# Altium PCB Brake Module PCB R6.PcbDoc (part 2 of 3)
Units mm, origin at the board's own origin, x right, y up, seen from the top; angles counter-clockwise.
Board outline 73.35 x 121.67 mm, 4 copper layers (Top Layer, GND, Power, Bottom Layer), stack 1.371 mm thick; 150 components, 97 nets, 517 pads, 201 vias.
Unrouted connection lines stored in the file: 1.
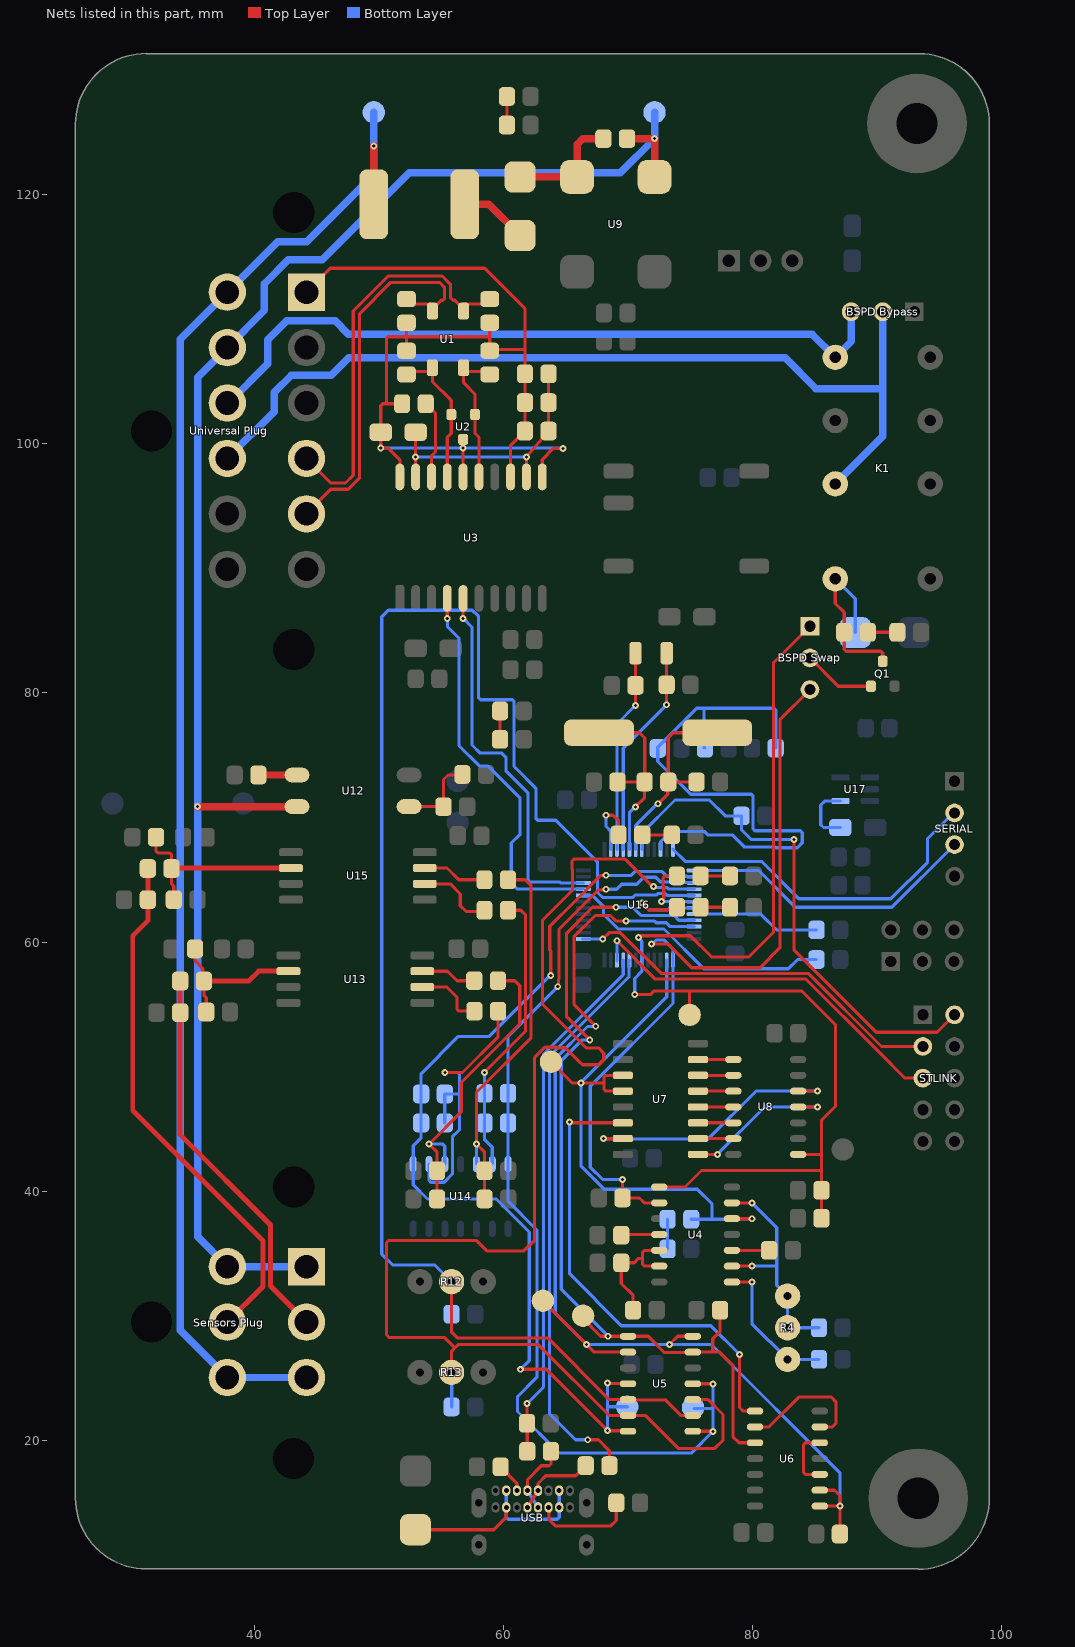
[diagram p4: the nets of this part, all layers, seen from the top]

## Via types
v1: diameter 0.55, hole 0.25, Top Layer to Bottom Layer, tented both sides, 200 vias
v2: diameter 0.55, hole 0.25, Top Layer to Bottom Layer, 1 vias

## Nets (pads, with @x,y where several pads share a name; then routed paths per layer and width w, separated by ;. In a path a pad name is that pad's centre, name@x,y a point inside that pad or via, vN(x,y) a via of type N, cw(c..) or ccw(c..) an arc to the next point about the centre after c; other vN are vias at no path point) (continued)
"BSPD DELAY (ISO)": "BSPD Swap.3" R6.1 U4.9 U16.25 | length 63.5
  Top Layer w0.254: v1(69.565,40.94) 69.559,40.934 69.559,39.454 R6.1@69.562,39.451 70.924,39.451 71.315,39.06 U4.9@72.513,39.06 ; v1(71.882,59.847) 73.197,59.847 75.106,57.938 80.606,57.938 82.194,59.526 82.194,77.848 84.61,80.264
  Bottom Layer w0.254: v1(69.565,40.94) 69.559,40.934 67.967,40.934 66.98,41.921 66.98,48.424 73.616,55.061 U16.25@73.616,58.542 73.616,59.428 72.871,60.173 72.288,60.173 71.962,59.847 v1(71.882,59.847)
"BSPD OK": "BSPD Swap.1" BSPD.1 C22.2 R11.2 U4.8 U8.8 U16.30 | length 93.8
  Top Layer w0.254: v1(70.55,55.775) 71.789,55.775 72.069,56.056 74.942,56.056 ; v1(70.841,60.35) 70.921,60.35 71.073,60.503 75.013,60.503 76.711,58.805 79.713,58.805 81.686,60.779 81.686,82.42 83.987,84.721 84.61,85.344 ; U4.8@72.513,40.33 74.58,40.33 75.906,41.656 85.538,41.656 ; BSPD.1@74.95,54.15 74.942,54.158 74.942,56.056 ; U8.8@83.657,42.947 85.538,42.947 ; R11.2@85.538,37.824 C22.2@85.538,40.074 85.538,41.656 ; 74.942,56.056 83.969,56.056 86.65,53.374 86.65,46.8 85.538,45.688 85.538,42.947 ; 85.538,41.656 85.538,42.947
  Bottom Layer w0.254: v1(70.55,55.775) 70.55,57.075 71.116,57.641 U16.30@71.116,58.542 ; v1(70.841,60.35) 70.841,60.32 71.107,60.054 U16.30@71.107,58.563
"CAN RX INDC": "CAN RX.A" U16.19 | length 7.6
  Top Layer w0.254: v1(71.12,63.119) 71.649,62.59 73.735,62.59 73.933,62.788
  Bottom Layer w0.254: v1(71.12,63.119) 71.649,62.59 73.21,62.59 73.362,62.742 U16.19@75.316,62.742
"CAN TX INDC": "CAN TX.A" U16.18 | length 5.8
  Top Layer w0.254: v1(72.695,63.246) 72.695,63.326 72.868,63.499 72.868,64.483 72.821,64.53 72.821,65.156 72.97,65.305 73.927,65.305
  Bottom Layer w0.254: v1(72.695,63.246) 72.697,63.244 75.314,63.244 U16.18@75.316,63.242
CANH_P: "Universal Plug.5" C3.2 U1.2 | length 31.2
  Top Layer w0.254: 44.196,94.366 44.196,94.4 46.134,96.338 47.538,96.338 48.459,97.259 48.459,110.44 50.97,112.951 54.872,112.951 55.261,112.561 55.261,111.618 55.152,111.509 54.998,111.509 54.305,110.815 U1.2@54.305,110.644 ; C3.2@52.223,111.603 52.624,111.203 U1.2@54.19,111.203
CANL_N: "Universal Plug.4" C2.2 U1.1 | length 32.2
  Top Layer w0.254: 44.196,98.816 44.196,98.782 46.132,96.846 47.328,96.846 47.951,97.469 47.951,110.65 50.76,113.459 55.082,113.459 55.769,112.772 55.769,111.698 55.958,111.509 56.112,111.509 56.805,110.815 U1.1@56.805,110.644 ; U1.1@56.82,111.203 C2.2@58.503,111.203 ; C2.2@58.503,111.204 C2.2@58.903,111.603
CANS: "Universal Plug.1" C2.1 C3.1 C4.1 C5.1 C6.1 C7.1 C8.1 C9.1 R1.1 U2.3 U3.11 U3.13 U3.16 U3.20 | length 83.9
  Top Layer w0.254: 44.196,112.166 46.109,114.079 58.506,114.079 61.725,110.86 61.725,107.569 ; U3.20@51.689,97.332 51.689,98.704 50.745,99.648 v1(50.159,99.648) C7.1@50.159,100.923 50.159,103.059 50.308,103.208 50.606,103.208 ; R1.1@51.871,103.208 50.606,103.208 ; C5.1@52.223,107.462 52.223,108.583 ; C3.1@52.223,109.704 52.223,108.583 ; U3.16@56.769,97.332 U2.3@56.769,100.346 ; C4.1@58.903,107.462 C4.1@58.903,107.569 ; C2.1@58.903,109.704 58.903,108.583 ; U3.13@60.579,97.332 60.579,99.869 C9.1@61.725,101.015 C8.1@61.725,103.301 C6.1@61.725,105.609 ; C6.1@61.725,105.749 61.725,107.569 ; U3.11@63.119,97.333 63.119,98.719 64.019,99.619 v1(64.795,99.619) ; 50.606,103.208 50.606,108.434 50.755,108.583 52.223,108.583 ; 52.223,108.583 58.903,108.583 ; C4.1@58.903,107.569 61.725,107.569 ; C4.1@58.903,107.569 58.903,108.583
  Bottom Layer w0.254: v1@50.289,99.648 64.766,99.648 v1(64.795,99.619)
  other v1: 56.769,99.644
CLOCK: Clock.1 D1.A U4.5 U7.11 U7.12 U16.26 | length 47.9
  Top Layer w0.254: Clock.1@63.821,50.379 65.521,48.679 v1(66.218,48.679) 68.071,48.679 68.075,48.675 ; U7.12@69.591,48.027 68.224,48.027 68.075,48.176 68.075,48.675 ; U7.11@69.591,49.297 68.224,49.297 68.075,49.148 68.075,48.675 ; U4.5@78.348,37.79 v1(79.948,37.79)
  Bottom Layer w0.254: U16.26@73.116,58.542 73.116,55.593 66.218,48.695 66.218,42.037 68.101,40.154 75.571,40.154 76.75,38.975 76.75,37.749 ; D1.A@75.082,37.749 76.75,37.749 ; 77.987,37.749 76.75,37.749 ; 77.987,37.79 v1(79.948,37.79)
GLV+: "Sensors Plug.3" "Sensors Plug.4" "Universal Plug.12" F1.1 GLV+.1 | length 122
  Top Layer w0.6: F1.1@49.596,119.215 v1(49.596,123.9)
  Bottom Layer w0.6: 44.196,25.042 37.846,25.042 37.846,25.051 34.061,28.835 34.061,108.381 37.846,112.166 41.885,116.205 44.221,116.205 49.6,121.584 49.6,123.896 v1(49.596,123.9) 49.596,126.596 GLV+.1@49.6,126.6
GLV-: "Sensors Plug.1" "Sensors Plug.6" "Universal Plug.11" C25.1 GLV-.1 U9.4 U12.2 | length 139.9
  Top Layer w0.6: v1(35.458,70.866) U12.2@43.434,70.866 ; C25.1@69.923,124.486 v1(72.133,124.486) ; U9.4@72.133,121.412 v1@72.133,124.375
  Bottom Layer w0.6: 44.196,33.942 37.846,33.942 37.814,33.974 35.458,36.33 v1(35.458,70.866) 35.458,105.328 37.846,107.716 40.824,110.694 40.824,112.835 42.745,114.756 45.465,114.756 52.441,121.733 69.383,121.733 72.133,124.483 v1(72.133,124.486) GLV-.1@72.133,126.6
"Green Loop IN": "BSPD Bypass.3" "Universal Plug.10" K1.9 | length 58.1
  Bottom Layer w0.6: 37.846,103.266 37.941,103.266 41.1,106.425 41.1,108.35 42.625,109.875 46.487,109.875 47.562,108.8 84.776,108.8 K1.9@86.642,106.934 87.912,108.204 87.912,110.592
"Green Loop OUT": "BSPD Bypass.2" "Universal Plug.9" K1.13 | length 73.3
  Bottom Layer w0.6: 37.846,98.816 41.605,102.575 41.605,104.115 42.991,105.5 46.2,105.5 47.6,106.9 82.612,106.9 85.093,104.419 90.452,104.419 ; K1.13@86.642,96.774 90.452,100.584 90.452,104.419 ; 90.452,110.592 90.452,104.419
"H REF": C23.2 R12.2 U5.5 U5.9 U16.17 | length 131.3
  Top Layer w0.254: R12.2@55.842,32.735 55.829,32.722 55.829,28.702 56.312,28.219 63.556,28.219 68.505,23.27 U5.5@70.006,23.27 ; U5.5@70,23.25 72.974,23.25 ; 72.98,23.27 74.25,22 U5.9@75.206,22
  Bottom Layer w0.254: C23.2@55.842,30.124 R12.2@55.842,32.735 54.499,34.078 51.11,34.078 50.241,34.947 50.241,86.105 50.771,86.635 57.514,86.635 58.014,86.135 58.014,79.6 58.162,79.451 60.71,79.451 60.858,79.302 60.858,74.088 61.007,73.939 61.011,73.939 62.611,72.339 62.611,69.923 62.76,69.774 64.211,69.774 67.568,66.417 67.568,64.007 67.599,63.977 67.599,63.935 67.953,63.581 70.384,63.581 70.578,63.775 72.296,63.775 72.423,63.902 72.967,63.902 73.127,63.742 U16.17@75.316,63.742
"L REF": C24.2 R13.2 U5.6 U5.10 U16.16 | length 113
  Top Layer w0.254: R13.2@55.842,25.451 55.842,27.165 56.102,27.426 ; v2(72.053,64.444) 71.979,64.444 69.774,66.65 65.655,66.65 65.507,66.501 65.507,65.854 65.548,65.813 65.548,64.151 63.144,61.747 63.144,55.004 66.66,51.488 67.652,51.488 68.059,51.08 68.059,50.536 67.667,50.144 66.354,50.144 66.147,50.351 66.133,50.351 64.977,51.508 64.766,51.508 64.745,51.486 64.382,51.486 64.309,51.559 63.332,51.559 62.509,50.736 62.509,36.068 61.646,35.204 58.675,35.204 57.849,36.031 50.771,36.031 50.622,35.882 50.622,28.473 50.851,28.245 55.283,28.245 56.102,27.426 ; U5.10@75.206,23.27 76.43,23.27 77.625,22.075 77.625,20 76.975,19.35 74.025,19.35 71.375,22 U5.6@70.006,22 68.475,22 62.789,27.686 56.363,27.686 56.102,27.426
  Bottom Layer w0.254: R13.2@55.842,25.451 55.855,25.438 C24.2@55.855,22.681 ; v2(72.053,64.444) 72.11,64.387 72.393,64.387 72.416,64.365 73.15,64.365 73.273,64.242 U16.16@75.316,64.242
"NetBSPD Swap_2": "BSPD Swap.2" Q1.G | length 5.8
  Top Layer w0.254: 84.61,82.804 86.88,80.534 Q1.G@89.502,80.534
NetC1_1: 
NetC4_2: C4.2 U1.4 U2.1 U3.15 | length 11.5
  Top Layer w0.254: U1.4@56.805,105.982 U1.4@57,105.787 ; U1.4@56.805,106.094 56.805,104.892 57.719,103.978 U2.1@57.719,102.346 ; U1.4@57,105.786 C4.2@58.678,105.786 ; U2.1@57.719,102.325 57.719,100.823 58.039,100.503 U3.15@58.039,97.332 ; C4.2@58.678,105.787 C4.2@58.903,105.562
NetC5_2: C5.2 U1.3 U2.2 U3.17 | length 11.8
  Top Layer w0.254: C5.2@52.223,105.562 52.447,105.786 54.013,105.786 U1.3@54.299,106.072 ; U1.3@54.305,106.094 54.305,104.991 55.819,103.477 U2.2@55.819,102.346 55.819,100.828 55.499,100.508 U3.17@55.499,97.332
NetC6_2: C6.2 C7.2 C8.2 C9.2 U3.12 U3.19 | length 21.4
  Top Layer w0.254: U3.19@52.959,97.332 v1(52.959,98.932) C7.2@52.959,100.923 ; U3.12@61.849,97.332 v1(61.849,98.932) C9.2@63.625,101.015 C8.2@63.625,103.301 C6.2@63.625,105.609
  Bottom Layer w0.254: v1(52.959,98.932) v1(61.849,98.932)
NetC15_2: C15.2 U4.3 | length 3
  Top Layer w0.254: U4.3@78.348,35.25 C15.2@81.337,35.25
NetC16_2: C16.2 U4.11 | length 3.1
  Top Layer w0.254: C16.2@69.463,36.52 U4.11@72.513,36.52
NetC17_2: C17.2 R3.1 U4.12 U4.13 | length 9.8
  Top Layer w0.254: R3.1@70.413,30.449 70.413,31.637 69.463,32.587 C17.2@69.463,34.249 70.499,34.249 70.85,34.6 71.175,34.6 ; U4.13@72.513,33.98 71.324,33.98 71.175,34.129 71.175,34.6 ; U4.12@72.513,35.25 71.324,35.25 71.175,35.101 71.175,34.6
NetC25_2: C25.2 D3.K U9.1 | length 9.5
  Top Layer w0.6: D3.K@61.341,121.412 U9.1@65.913,121.412 65.913,124.018 66.382,124.486 C25.2@68.023,124.486
NetC30_2: C30.2 C40.2 R28.2 U13.2 | length 12.5
  Top Layer w0.254: C30.2@35.252,59.445 35.252,58.482 35.882,57.852 35.882,56.947 R28.2@35.959,56.87 35.959,55.735 36.146,55.548 C40.2@36.146,54.382
  Top Layer w0.4: R28.2@35.959,56.87 39.572,56.87 40.361,57.658 U13.2@42.748,57.658
NetC33_2: C33.2 R21.2 R22.2 U14.3 | length 25.1
  Top Layer w0.254: C33.2@54.68,39.375 R22.2@54.68,41.635 54.68,43.124 v1(54.03,43.774) 56.625,46.369 56.625,48.726 61.316,53.416 61.316,56.484 60.904,56.896 R21.2@59.558,56.896
  Bottom Layer w0.254: v1(54.03,43.774) 55.141,43.774 55.3,43.615 U14.3@55.3,42.174
NetC34_1: "S1 AMP.1" C34.1 R20.2 U5.4 U5.7 U14.1 U16.14 | length 80.4
  Top Layer w0.254: v1(61.375,25.7) 63.445,25.7 v1(68.35,20.795) 68.382,20.763 69.973,20.763 U5.7@70.006,20.73 ; v1(63.8,57.302) 63.8,59.288 63.729,59.36 63.729,61.265 65.745,63.281 67.811,65.348 68.218,65.348 v1(68.224,65.354) ; v1(68.35,24.605) 68.382,24.573 69.973,24.573 U5.4@70.006,24.54
  Bottom Layer w0.254: v1(61.375,25.7) 62.078,26.403 62.078,36.72 59.428,39.37 53.907,39.37 52.76,40.517 U14.1@52.76,42.174 52.76,43.635 53.4,44.275 C34.1@53.4,45.476 R20.2@53.4,47.802 53.4,49.438 56.388,52.426 58.852,52.426 63.729,57.302 v1(63.8,57.302) ; v1(68.224,65.354) 68.245,65.333 70.23,65.333 70.551,65.655 72.753,65.655 73.129,65.279 74.743,65.279 74.758,65.265 75.293,65.265 U16.14@75.316,65.242 ; v1(68.35,20.795) 68.35,22.7 ; v1(68.35,24.605) 68.35,22.7 ; 69.95,22.7 68.35,22.7
NetC34_2: C34.2 R19.2 R20.1 U14.2 | length 24.1
  Top Layer w0.254: v1(55.3,49.53) 56.718,49.53 59.575,52.387 R19.2@59.575,54.45
  Bottom Layer w0.254: U14.2@54.03,42.174 54.03,40.865 54.179,40.716 55.245,40.716 55.905,41.377 55.905,41.541 55.906,41.542 55.906,44.375 56.363,44.831 56.366,44.831 56.49,44.954 56.49,47.828 ; v1@55.249,49.581 v1(55.3,49.53) 56.315,49.53 56.49,49.356 56.49,47.828 ; C34.2@55.3,45.476 R20.1@55.3,47.802 56.463,47.802 56.49,47.828
NetC35_2: C35.2 C41.2 R30.2 U15.2 | length 15.8
  Top Layer w0.254: C35.2@32.116,68.416 32.116,67.299 32.265,67.15 33.211,67.15 33.359,67.001 R30.2@33.359,65.899 ; R30.2@33.399,65.938 R30.2@33.359,65.899 ; C41.2@33.546,63.4 33.546,64.479 33.359,64.666 R30.2@33.359,65.899
  Top Layer w0.4: R30.2@33.399,65.938 U15.2@42.946,65.938
NetC38_2: C38.2 R25.2 R26.2 U14.5 | length 30.9
  Top Layer w0.254: R26.2@58.49,39.375 C38.2@58.49,41.635 58.49,43.124 v1(57.84,43.774) 57.84,47.934 62.23,52.324 62.23,64.516 61.748,64.998 R25.2@60.374,64.998
  Bottom Layer w0.254: U14.5@57.84,42.174 v1(57.84,43.774)
NetC39_1: "S2 AMP.1" C39.1 R24.2 U5.8 U5.11 U14.7 U16.15 | length 81.1
  Top Layer w0.254: v1(64.364,56.413) 64.42,56.47 64.42,56.995 64.456,57.031 64.456,61.002 67.634,64.18 68.168,64.18 v1(68.224,64.237) ; U5.8@75.206,20.73 75.211,20.725 76.82,20.725 v1(76.825,20.72) ; U5.11@75.206,24.54 75.211,24.535 76.82,24.535 v1(76.825,24.53)
  Bottom Layer w0.254: v1(64.364,56.413) 60.38,52.43 R24.2@60.38,47.854 C39.1@60.38,45.476 U14.7@60.38,42.174 60.38,39.188 62.687,36.881 62.687,25.061 61.137,23.511 61.137,22.313 64.475,18.975 75.08,18.975 v1(76.825,20.72) 76.825,22.56 ; v1(68.224,64.237) 69.092,64.237 69.494,64.639 70.709,64.639 71.268,65.197 72.23,65.197 72.594,64.834 72.928,64.834 72.939,64.822 74.554,64.822 74.611,64.765 75.293,64.765 U16.15@75.316,64.742 ; 75.29,22.56 76.825,22.56 ; v1(76.825,24.53) 76.825,22.56
NetC39_2: C39.2 R23.2 R24.1 U14.6 | length 23.2
  Top Layer w0.254: v1(58.48,49.53) 61.773,52.823 61.773,62.183 61.406,62.55 R23.2@60.375,62.55
  Bottom Layer w0.254: v1(58.48,49.53) 58.48,44.17 59.11,43.54 U14.6@59.11,42.174
NetC51_2: C51.2 U17.4 | length 5
  Bottom Layer w0.254: C51.2@87.049,69.19 85.7,69.19 85.471,69.418 85.471,70.997 85.787,71.312 U17.4@87.055,71.312
"NetCAN RX_1": U3.4 U16.45 | length 31.9
  Top Layer w0.254: v1(55.499,85.979) U3.4@55.499,87.579
  Bottom Layer w0.254: v1(55.499,85.979) 55.502,85.975 55.502,85.323 56.439,84.386 56.439,75.768 58.09,74.117 58.776,74.117 61.341,71.552 61.341,68.656 60.63,67.945 60.63,64.745 61.132,64.242 U16.45@66.416,64.242
"NetCAN RX_K": "CAN RX.K" R47.2 | length 2.4
  Top Layer w0.254: 75.833,62.788 R47.2@78.2,62.788
"NetCAN TX_1": U3.5 U16.46 | length 30.3
  Top Layer w0.254: v1(56.769,85.979) U3.5@56.769,87.579
  Bottom Layer w0.254: v1(56.769,85.979) 57.481,85.266 57.481,75.814 58.137,75.159 59.868,75.159 60.198,74.828 60.198,73.736 61.989,71.945 61.989,64.958 62.138,64.809 64.541,64.809 64.608,64.742 U16.46@66.416,64.742
"NetCAN TX_K": "CAN TX.K" R46.2 | length 2.4
  Top Layer w0.254: 75.827,65.305 R46.2@78.194,65.305
NetD1_K: D1.K R7.2 | length 2.4
  Bottom Layer w0.254: R7.2@73.182,35.371 D1.K@73.182,37.749
NetD2_K: D2.K R45.2 | length 2.4
  Top Layer w0.254: R45.2@71.152,68.602 D2.K@73.521,68.602
NetD3_A: D3.A F1.2 | length 5.5
  Top Layer w0.6: F1.2@56.896,119.215 58.838,119.215 D3.A@61.341,116.712
NetD4_K: D4.K R14.2 | length 2.3
  Top Layer w0.254: D4.K@60.284,125.581 R14.2@60.284,127.867
NetD5_K: D5.K R15.2 | length 2.3
  Top Layer w0.254: R15.2@59.737,76.263 D5.K@59.737,78.549
NetD6_A: D6.A K1.16 Q1.D R48.1 | length 14.8
  Top Layer w0.254: K1.16@86.642,89.154 86.642,87.173 87.358,86.457 R48.1@87.358,84.862 87.358,83.486 87.507,83.337 90.303,83.337 90.452,83.189 Q1.D@90.452,82.534
  Bottom Layer w0.254: K1.16@86.642,89.154 88.246,87.55 D6.A@88.246,84.836
NetD7_K: D7.K R48.2 | length 2.6
  Top Layer w0.254: R48.2@89.004,84.862 R48.2@89.258,84.862 D7.K@91.622,84.862
NetD10_A: D10.A USB.A4 USB.A9 USB.B4 USB.B9 | length 17.2
  Top Layer w0.254: D10.A@52.934,12.826 59.232,12.826 60.232,13.826 USB.B9@60.232,14.613
  Bottom Layer w0.254: USB.A4@60.232,15.963 60.232,13.814 60.381,13.665 64.333,13.665 64.482,13.814 USB.A9@64.482,15.963
"NetHigh P_1": "High P.1" R9.1 U5.2 U5.14 U6.1 U6.2 U16.22 | length 91.3
  Top Layer w0.254: 63.175,31.2 67.295,27.08 U5.2@70.006,27.08 ; v1(67.412,53.238) 65.659,54.991 65.659,60.427 67.361,62.128 68.603,62.128 69.035,61.697 v1(69.85,61.697) ; v1(73.338,27.694) 73.994,28.35 U5.14@75.206,28.35 ; U6.2@85.4,15.995 86.58,15.995 87.008,15.567 v1(87.008,14.739) ; U6.1@85.408,14.739 v1(87.008,14.739) ; R9.1@87.008,12.48 v1(87.008,14.739)
  Bottom Layer w0.254: v1(67.412,53.238) 67.39,53.217 66.756,53.217 64.16,50.622 64.16,30.215 66.681,27.694 v1(73.338,27.694) 76.706,27.694 87.008,17.392 v1(87.008,14.739) ; v1(69.85,61.697) 69.871,61.676 72.135,61.676 72.262,61.549 73.071,61.549 73.381,61.239 75.313,61.239 U16.22@75.316,61.242
  other v1: 66.676,27.699
"NetLow P_1": "Low P.1" R10.1 U5.1 U5.13 U6.10 U16.21 | length 72.6
  Top Layer w0.254: 66.4,30 66.4,29.75 67.8,28.35 v1(68.406,28.35) U5.1@70.006,28.35 71.625,28.35 72.937,27.038 75.164,27.038 U5.13@75.206,27.08 76.8,27.08 ; v1(66.932,52.144) 65.075,54 65.075,60.706 67.158,62.789 v1@68.986,62.789 ; R10.1@77.4,30.45 77.4,28.75 76.8,28.15 76.8,27.08 ; U6.10@80.2,19.805 78.92,19.805 78.425,20.3 78.425,26.025 77.37,27.08 76.8,27.08
  Bottom Layer w0.254: v1(66.932,52.144) 66.931,52.142 66.328,52.142 64.643,50.458 64.643,32.113 v1(68.406,28.35) ; v1(69.037,62.789) 70.383,62.789 71.039,62.133 73.696,62.133 74.087,61.742 U16.21@75.316,61.742
NetP5_1: U6.8 U7.14 | length 38.4
  Top Layer w0.254: v1(65.303,45.542) 65.359,45.487 U7.14@69.591,45.487 ; v1(78.95,26.9) 78.95,22.639 79.244,22.345 U6.8@80.2,22.345
  Bottom Layer w0.254: v1(65.303,45.542) 65.313,45.533 65.313,33.362 69.475,29.2 76.65,29.2 v1(78.95,26.9)
NetR1_2: R1.2 U3.18 | length 6.3
  Top Layer w0.254: R1.2@53.771,103.208 54.55,102.429 54.55,99.343 54.229,99.022 U3.18@54.229,97.332
NetR2_1: R2.1 R4.3 U4.1 | length 11.5
  Top Layer w0.254: U4.1@78.348,32.71 v1(79.948,32.71)
  Bottom Layer w0.254: v1(79.948,32.71) 79.948,29.364 R4.3@82.816,26.496 R2.1@85.325,26.496
NetR16_1: R16.1 U12.1 | length 3.1
  Top Layer w0.6: R16.1@40.332,73.406 U12.1@43.434,73.406
NetR17_2: R17.2 R18.2 U12.3 | length 6.6
  Top Layer w0.254: U12.3@52.434,70.866 R17.2@55.196,70.866 55.196,73.046 55.556,73.406 R18.2@56.712,73.406
NetR19_1: R19.1 U13.6 | length 5.6
  Top Layer w0.254: U13.6@53.493,56.388 55.462,56.388 56.275,55.575 56.275,54.599 56.424,54.45 R19.1@57.675,54.45
NetR21_1: R21.1 U13.7 | length 4.5
  Top Layer w0.254: U13.7@53.493,57.658 55.517,57.658 56.279,56.896 R21.1@57.658,56.896
NetR23_1: R23.1 U15.6 | length 6.2
  Top Layer w0.254: U15.6@53.691,64.668 55.728,64.668 56.54,63.856 56.54,62.916 56.998,62.458 R23.1@58.474,62.458
NetR25_1: R25.1 U15.7 | length 5.2
  Top Layer w0.254: U15.7@53.691,65.938 55.474,65.938 56.414,64.998 R25.1@58.474,64.998
NetR34_1: R34.1 USB.A6 USB.B6 | length 5.9
  Top Layer w0.254: USB.A6@61.932,15.963 61.932,16.849 63.036,17.954 63.666,17.954 63.815,18.103 R34.1@63.815,19.111
  Bottom Layer w0.254: USB.A6@61.932,15.963 USB.B6@62.782,14.613 USB.B6@62.786,14.618
NetR35_1: R35.1 USB.A7 USB.B7 | length 6.6
  Top Layer w0.254: USB.B7@61.932,14.613 USB.A7@62.782,15.963 62.782,16.532 63.4,17.15 65.8,17.15 R35.1@66.618,17.968
NetR36_1: R36.1 USB.A5 | length 2.5
  Top Layer w0.254: R36.1@59.775,17.875 61.087,16.563 61.087,15.968 USB.A5@61.082,15.963
NetR37_1: R37.1 USB.B5 | length 8.2
  Top Layer w0.254: USB.B5@63.632,14.613 63.664,14.581 63.664,13.628 64.16,13.132 68.631,13.132 69.066,13.567 R37.1@69.066,14.983
NetR39_2: R39.2 U16.44 | length 21.8
  Bottom Layer w0.254: U16.44@66.416,63.742 66.439,63.719 67.168,63.719 68.047,62.84 68.047,62.205 69.211,61.041 72.894,61.041 76.084,57.85 82.875,57.85 83.624,58.599 R39.2@85.137,58.599
NetR40_1: R40.1 U16.20 | length 10.3
  Bottom Layer w0.254: U16.20@75.316,62.242 80.658,62.242 81.924,60.976 R40.1@85.138,60.976
NetU6_3: U6.3 U6.5 | length 5
  Top Layer w0.254: U6.3@85.4,17.265 84.241,17.265 84.092,17.414 84.092,19.656 84.241,19.805 U6.5@85.4,19.805
NetU6_6: U6.6 U6.9 | length 10.8
  Top Layer w0.254: U6.9@80.2,21.075 81.324,21.075 83.717,23.467 86.337,23.467 86.695,23.11 86.695,21.354 86.415,21.075 U6.6@85.4,21.075
NetU7_1: U7.1 U8.11 | length 12.8
  Top Layer w0.254: U7.1@75.58,42.95 v1(77.18,42.95) ; U8.11@83.616,46.76 v1(85.216,46.76)
  Bottom Layer w0.254: v1(77.18,42.95) 77.18,42.955 80.985,46.76 v1(85.216,46.76)
NetU7_2: U7.2 U8.6 | length 3.3
  Top Layer w0.254: U7.2@75.173,44.217 U8.6@78.457,44.217
NetU7_3: U7.3 U8.5 | length 3.3
  Top Layer w0.254: U7.3@75.173,45.487 U8.5@78.457,45.487
NetU7_4: U7.4 U8.4 | length 3.3
  Top Layer w0.254: U7.4@75.173,46.757 U8.4@78.457,46.757
NetU7_5: U7.5 U8.3 | length 3.3
  Top Layer w0.254: U7.5@75.173,48.027 U8.3@78.457,48.027
NetU7_6: U7.6 U8.2 | length 3.3
  Top Layer w0.254: U7.6@75.173,49.297 U8.2@78.457,49.297
NetU7_7: U7.7 U8.1 | length 3.3
  Top Layer w0.254: U7.7@75.173,50.567 U8.1@78.457,50.567
NetU7_15: U7.15 U8.12 | length 22
  Top Layer w0.254: v1(68.032,44.214) U7.15@69.632,44.214 ; U8.12@83.616,48.03 v1(85.216,48.03)
  Bottom Layer w0.254: v1(68.032,44.214) 68.046,44.2 76.45,44.2 80.28,48.03 v1(85.216,48.03)
NRST: R38.1 STLINK.2 U16.7 | length 41.7
  Top Layer w0.254: v1(83.337,68.224) 83.337,59.346 89.934,52.75 94.81,52.75 STLINK.2@96.215,54.155
  Bottom Layer w0.254: U16.7@71.116,67.442 71.116,68.741 73.774,71.399 76.53,71.399 77.803,70.126 R38.1@79.113,70.126 79.113,69.012 79.901,68.224 v1(83.337,68.224)
PC13: R45.1 U16.2 | length 5.2
  Top Layer w0.254: v1(68.247,70.179) 68.804,70.179 69.252,69.731 R45.1@69.252,68.602
  Bottom Layer w0.254: v1(68.247,70.179) 68.247,69.269 68.616,68.9 68.616,67.457 U16.2@68.639,67.434
"PCB TEMP": C54.2 R43.1 R44.2 U16.10 | length 47.6
  Bottom Layer w0.254: U16.10@72.616,67.442 72.639,67.465 72.639,68.066 73.432,68.859 76.162,68.859 76.441,68.58 78.41,68.58 79.375,67.615 81.824,67.615 81.871,67.568 83.609,67.568 83.993,67.953 83.993,68.787 83.845,68.936 80.188,68.936 80.035,69.088 80.035,69.444 80.042,69.451 80.042,71.708 79.894,71.857 75.032,71.857 72.394,74.494 C54.2@72.394,75.539 72.394,75.639 75.524,78.769 76.098,78.769 ; R44.2@76.18,75.565 76.098,75.646 76.098,78.769 ; R43.1@81.859,75.565 81.859,78.62 81.71,78.769 76.098,78.769
"Sensor 1 IN": "Sensors Plug.2" R27.2 R28.1 | length 31.6
  Top Layer w0.4: R28.1@34.06,56.87 R27.2@34.06,54.33 34.06,44.528 41.304,37.283 41.304,32.384 44.196,29.492
"Sensor 2 IN": "Sensors Plug.5" R29.2 R30.1 | length 42.4
  Top Layer w0.4: R30.1@31.46,65.899 R29.2@31.46,63.4 31.46,61.71 30.25,60.5 30.25,46.469 40.701,36.018 40.701,32.351 37.846,29.495 37.846,29.492
SWCLK: STLINK.3 U16.37 | length 31.3
  Top Layer w0.254: v1(67.975,60.239) 68.493,60.757 69.391,60.757 72.668,57.48 84.483,57.48 90.349,51.615 STLINK.3@93.675,51.615
  Bottom Layer w0.254: U16.37@66.375,60.239 v1(67.975,60.239)
SWDIO: STLINK.5 U16.34 | length 30.7
  Top Layer w0.254: v1(69.119,60.101) 72.197,57.024 72.478,57.024 84.294,57.023 90.16,51.158 92.243,49.075 STLINK.5@93.675,49.075
  Bottom Layer w0.254: U16.34@69.119,58.501 v1(69.119,60.101)
Trig/Thres: C14.2 R4.1 R4.2 U4.2 U4.6 | length 18.9
  Top Layer w0.254: U4.2@78.348,33.98 v1(79.948,33.98) ; U4.6@78.348,39.06 v1(79.948,39.06)
  Bottom Layer w0.254: v1(79.948,33.98) 81.95,33.98 ; v1(79.948,39.06) 81.95,37.058 81.95,33.98 ; C14.2@85.325,29.036 R4.2@82.816,29.036 R4.1@82.816,31.576 82.816,31.584 81.95,32.45 81.95,33.98
UARTRX: SERIAL.3 U16.13 | length 24.2
  Bottom Layer w0.254: U16.13@75.316,65.742 80.487,65.742 83.436,62.793 91.188,62.793 96.1,67.705 SERIAL.3@96.1,67.82
UARTTX: SERIAL.2 U16.12 | length 28.1
  Bottom Layer w0.254: U16.12@73.616,67.442 74.586,66.472 80.721,66.472 83.718,63.475 91.108,63.475 94.05,66.416 94.05,68.31 SERIAL.2@96.1,70.36
USBDM: R35.2 U16.32 | length 46.3
  Top Layer w0.254: v1(66.775,20.05) 67.633,20.05 68.513,19.17 R35.2@68.513,17.974
  Bottom Layer w0.254: v1(66.775,20.05) 65.788,20.05 63.703,22.135 63.703,50.825 70.073,57.195 70.093,57.215 70.093,58.519 U16.32@70.116,58.542
USBDP: R32.1 R34.2 U16.33 | length 42.6
  Top Layer w0.254: R32.1@61.906,21.36 v1(61.906,22.96) ; R34.2@61.915,19.111 R32.1@61.915,21.36
  Bottom Layer w0.254: v1(61.906,22.96) 63.221,24.275 63.221,50.989 69.616,57.384 U16.33@69.616,58.542
XTALA: C46.2 R31.1 U16.5 X1.1 | length 15.5
  Top Layer w0.254: X1.1@67.675,76.8 70.925,76.8 71.35,76.375 71.35,72.861 R31.1@71.338,72.849 ; C46.2@69.163,72.849 R31.1@71.338,72.849 ; v1(70.6,70.85) 71.338,71.588 R31.1@71.338,72.849
  Bottom Layer w0.254: U16.5@70.116,67.442 70.116,70.366 v1(70.6,70.85)
XTALB: C47.2 R31.2 U16.6 X1.2 | length 16.4
  Top Layer w0.254: v1(72.425,71.1) 73.192,71.867 73.192,72.802 R31.2@73.238,72.849 ; C47.2@75.5,72.849 R31.2@73.238,72.849 ; X1.2@77.175,76.8 73.65,76.8 73.238,76.388 R31.2@73.238,72.849
  Bottom Layer w0.254: U16.6@70.616,67.442 70.616,69.365 72.351,71.1 v1(72.425,71.1)
XTALC: C48.2 U16.3 X2.1 | length 16.4
  Top Layer w0.254: v1(70.607,78.993) C48.2@70.607,80.593 X2.1@70.607,83.185
  Bottom Layer w0.254: U16.3@69.116,67.442 69.116,77.503 v1(70.607,78.993)
XTALD: C49.2 U16.4 X2.2 | length 17.2
  Top Layer w0.254: v1(73.107,79.046) C49.2@73.107,80.646 X2.2@73.107,83.185
  Bottom Layer w0.254: U16.4@69.616,67.442 69.616,75.555 v1(73.107,79.046)
pads on no net: "BSPD Bypass.1" "Sensors Plug.0" "Universal Plug.0" "Universal Plug.2" "Universal Plug.3" "Universal Plug.6" "Universal Plug.7" K1.4 K1.6 K1.8 K1.11 STLINK.4 STLINK.6 STLINK.9 STLINK.10 U3.2 U3.14 U6.11 U6.12 U6.13 U7.9 U8.9 U8.10 U8.13 U11.8 U14.8 U14.9 U14.10 U14.12 U14.13 U14.14 U16.11 U16.27 U16.28 U16.31 U16.38 U16.39 U16.40 U16.41 U16.42 U16.43 USB.A8 USB.B8 USB.P2 USB.P3 USB.P4
copper on no net: | length 1.6
  Top Layer w0.254: v1(86.636,33.649) 86.636,35.249

## Polygon pours and split planes (outlines as drawn)
"0V (ISO)" on Top Layer "0V_(ISO)_L01_P000" (solid, remove dead copper, pour order 0): 50.316,90.757 98.616,90.757 98.616,15.357 cw(c93.391,15.357) 93.391,10.132 88.891,10.132 50.316,10.157
0V on Top Layer "0V_L01_P001" (solid, remove dead copper, pour order 1): 46.325,10.175 46.325,92.775 cw(c48.253,92.732) 48.45,94.65 98.5,94.65 98.5,125.7 ccw(c93.375,125.7) 93.375,130.825 31.375,130.825 ccw(c31.375,125.6) 26.15,125.6 26.15,15.375 ccw(c31.35,15.375) 31.35,10.175
"0V (ISO)" on Bottom Layer "0V_(ISO)_L04_P002" (solid, remove dead copper, pour order 2): 50.2,90.775 98.5,90.775 98.5,15.375 cw(c93.275,15.375) 93.275,10.15 88.775,10.15 50.2,10.175
0V on Bottom Layer "0V_L04_P003" (solid, remove dead copper, pour order 3): 46.325,10.175 46.325,92.775 cw(c48.253,92.732) 48.45,94.65 98.5,94.65 98.5,125.7 ccw(c93.375,125.7) 93.375,130.825 31.375,130.825 ccw(c31.375,125.6) 26.15,125.6 26.15,15.375 ccw(c31.35,15.375) 31.35,10.175
5V on Power (split plane): 31.343,130.808 93.273,130.808 93.3,130.799 93.4,130.79 93.417,130.791 93.707,130.782 94.014,130.755 94.318,130.708 94.619,130.644 94.915,130.561 95.206,130.461 95.49,130.343 95.767,130.208 96.035,130.057 96.293,129.89 96.541,129.708 96.777,129.511 97.001,129.3 97.212,129.076 97.409,128.84 97.591,128.592 97.758,128.334 97.909,128.066 98.044,127.789 98.162,127.505 98.262,127.214 98.345,126.918 98.409,126.617 98.456,126.313 98.483,126.007 98.492,125.724 98.49,125.7 98.49,94.652 48.26,94.652 48.07,94.643 47.881,94.615 47.696,94.569 47.517,94.504 47.344,94.423 47.181,94.325 47.028,94.211 46.887,94.083 46.759,93.942 46.645,93.789 46.547,93.626 46.466,93.453 46.401,93.274 46.355,93.089 46.327,92.9 46.318,92.71 46.318,10.187 31.35,10.187 31.317,10.184 31.037,10.193 30.724,10.221 30.414,10.268 30.108,10.334 29.805,10.418 29.509,10.521 29.219,10.641 28.937,10.778 28.664,10.932 28.401,11.102 28.148,11.288 27.907,11.489 27.679,11.704 27.464,11.932 27.263,12.173 27.077,12.426 26.907,12.689 26.753,12.962 26.616,13.244 26.496,13.534 26.393,13.83 26.309,14.133 26.243,14.439 26.196,14.749 26.168,15.062 26.16,15.323 26.164,15.371 26.164,125.629 26.16,125.677 26.168,125.938 26.196,126.251 26.243,126.561 26.309,126.867 26.393,127.17 26.496,127.466 26.616,127.756 26.753,128.038 26.907,128.311 27.077,128.574 27.263,128.827 27.464,129.068 27.679,129.296 27.907,129.511 28.148,129.712 28.401,129.898 28.664,130.068 28.937,130.222 29.219,130.359 29.509,130.479 29.805,130.582 30.108,130.666 30.414,130.732 30.724,130.779 31.037,130.807 31.272,130.814
"5V (ISO)" on Power (split plane): 98.49,75.94 69.808,75.94 69.699,75.932 69.593,75.911 69.489,75.876 69.392,75.828 69.301,75.768 69.22,75.696 63.112,69.588 63.04,69.506 63.016,69.47 62.98,69.416 62.932,69.318 62.897,69.215 62.875,69.109 62.868,69 62.868,58.5 62.875,58.391 62.897,58.285 62.932,58.182 62.98,58.084 63.016,58.03 63.04,57.994 63.112,57.912 67.187,53.837 67.269,53.765 67.305,53.741 67.359,53.705 67.424,53.672 67.457,53.657 67.56,53.622 67.619,53.61 67.666,53.6 67.775,53.593 87.568,53.593 87.568,39 87.575,38.891 87.597,38.785 87.632,38.682 87.68,38.584 87.74,38.494 87.812,38.412 92.412,33.812 92.494,33.74 92.53,33.716 92.584,33.68 92.649,33.647 92.682,33.632 92.785,33.597 92.806,33.592 92.891,33.575 93,33.568 98.49,33.568 98.49,15.35 98.491,15.332 98.482,15.037 98.454,14.724 98.407,14.414 98.341,14.108 98.257,13.805 98.154,13.509 98.034,13.219 97.897,12.937 97.743,12.664 97.573,12.401 97.387,12.148 97.186,11.907 96.971,11.679 96.743,11.464 96.502,11.263 96.249,11.077 95.986,10.907 95.713,10.753 95.431,10.616 95.141,10.496 94.845,10.393 94.542,10.309 94.236,10.243 93.926,10.196 93.613,10.168 93.449,10.163 93.4,10.178 93.3,10.187 50.202,10.187 50.202,90.768 98.49,90.768
"3.3V (ISO)" on Power (split plane): 98.49,35.232 93.345,35.232 89.232,39.345 89.232,54.425 89.225,54.534 89.203,54.64 89.168,54.743 89.12,54.841 89.06,54.931 88.988,55.013 88.906,55.085 88.816,55.145 88.718,55.193 88.615,55.228 88.509,55.25 88.4,55.257 68.12,55.257 64.532,58.845 64.532,68.655 70.152,74.276 98.49,74.276
0V on GND (split plane): 31.343,130.808 93.273,130.808 93.3,130.799 93.4,130.79 93.417,130.791 93.707,130.782 94.014,130.755 94.318,130.708 94.619,130.644 94.915,130.561 95.206,130.461 95.49,130.343 95.767,130.208 96.035,130.057 96.293,129.89 96.541,129.708 96.777,129.511 97.001,129.3 97.212,129.076 97.409,128.84 97.591,128.592 97.758,128.334 97.909,128.066 98.044,127.789 98.162,127.505 98.262,127.214 98.345,126.918 98.409,126.617 98.456,126.313 98.483,126.007 98.492,125.724 98.49,125.7 98.49,94.667 48.275,94.667 48.085,94.658 47.896,94.63 47.711,94.584 47.532,94.519 47.359,94.438 47.196,94.34 47.043,94.226 46.902,94.098 46.774,93.957 46.66,93.804 46.562,93.641 46.481,93.468 46.416,93.289 46.37,93.104 46.342,92.915 46.333,92.725 46.333,10.187 31.35,10.187 31.317,10.184 31.037,10.193 30.724,10.221 30.414,10.268 30.108,10.334 29.805,10.418 29.509,10.521 29.219,10.641 28.937,10.778 28.664,10.932 28.401,11.102 28.148,11.288 27.907,11.489 27.679,11.704 27.464,11.932 27.263,12.173 27.077,12.426 26.907,12.689 26.753,12.962 26.616,13.244 26.496,13.534 26.393,13.83 26.309,14.133 26.243,14.439 26.196,14.749 26.168,15.062 26.16,15.323 26.164,15.371 26.164,125.629 26.16,125.677 26.168,125.938 26.196,126.251 26.243,126.561 26.309,126.867 26.393,127.17 26.496,127.466 26.616,127.756 26.753,128.038 26.907,128.311 27.077,128.574 27.263,128.827 27.464,129.068 27.679,129.296 27.907,129.511 28.148,129.712 28.401,129.898 28.664,130.068 28.937,130.222 29.219,130.359 29.509,130.479 29.805,130.582 30.108,130.666 30.414,130.732 30.724,130.779 31.037,130.807 31.272,130.814
"0V (ISO)" on GND (split plane): 98.49,15.35 98.491,15.332 98.482,15.037 98.454,14.724 98.407,14.414 98.341,14.108 98.257,13.805 98.154,13.509 98.034,13.219 97.897,12.937 97.743,12.664 97.573,12.401 97.387,12.148 97.186,11.907 96.971,11.679 96.743,11.464 96.502,11.263 96.249,11.077 95.986,10.907 95.713,10.753 95.431,10.616 95.141,10.496 94.845,10.393 94.542,10.309 94.236,10.243 93.926,10.196 93.613,10.168 93.449,10.163 93.4,10.178 93.3,10.187 50.217,10.187 50.217,90.783 98.49,90.783